# Altium PCB 2022_AESK_UAV.PcbDoc (continued)
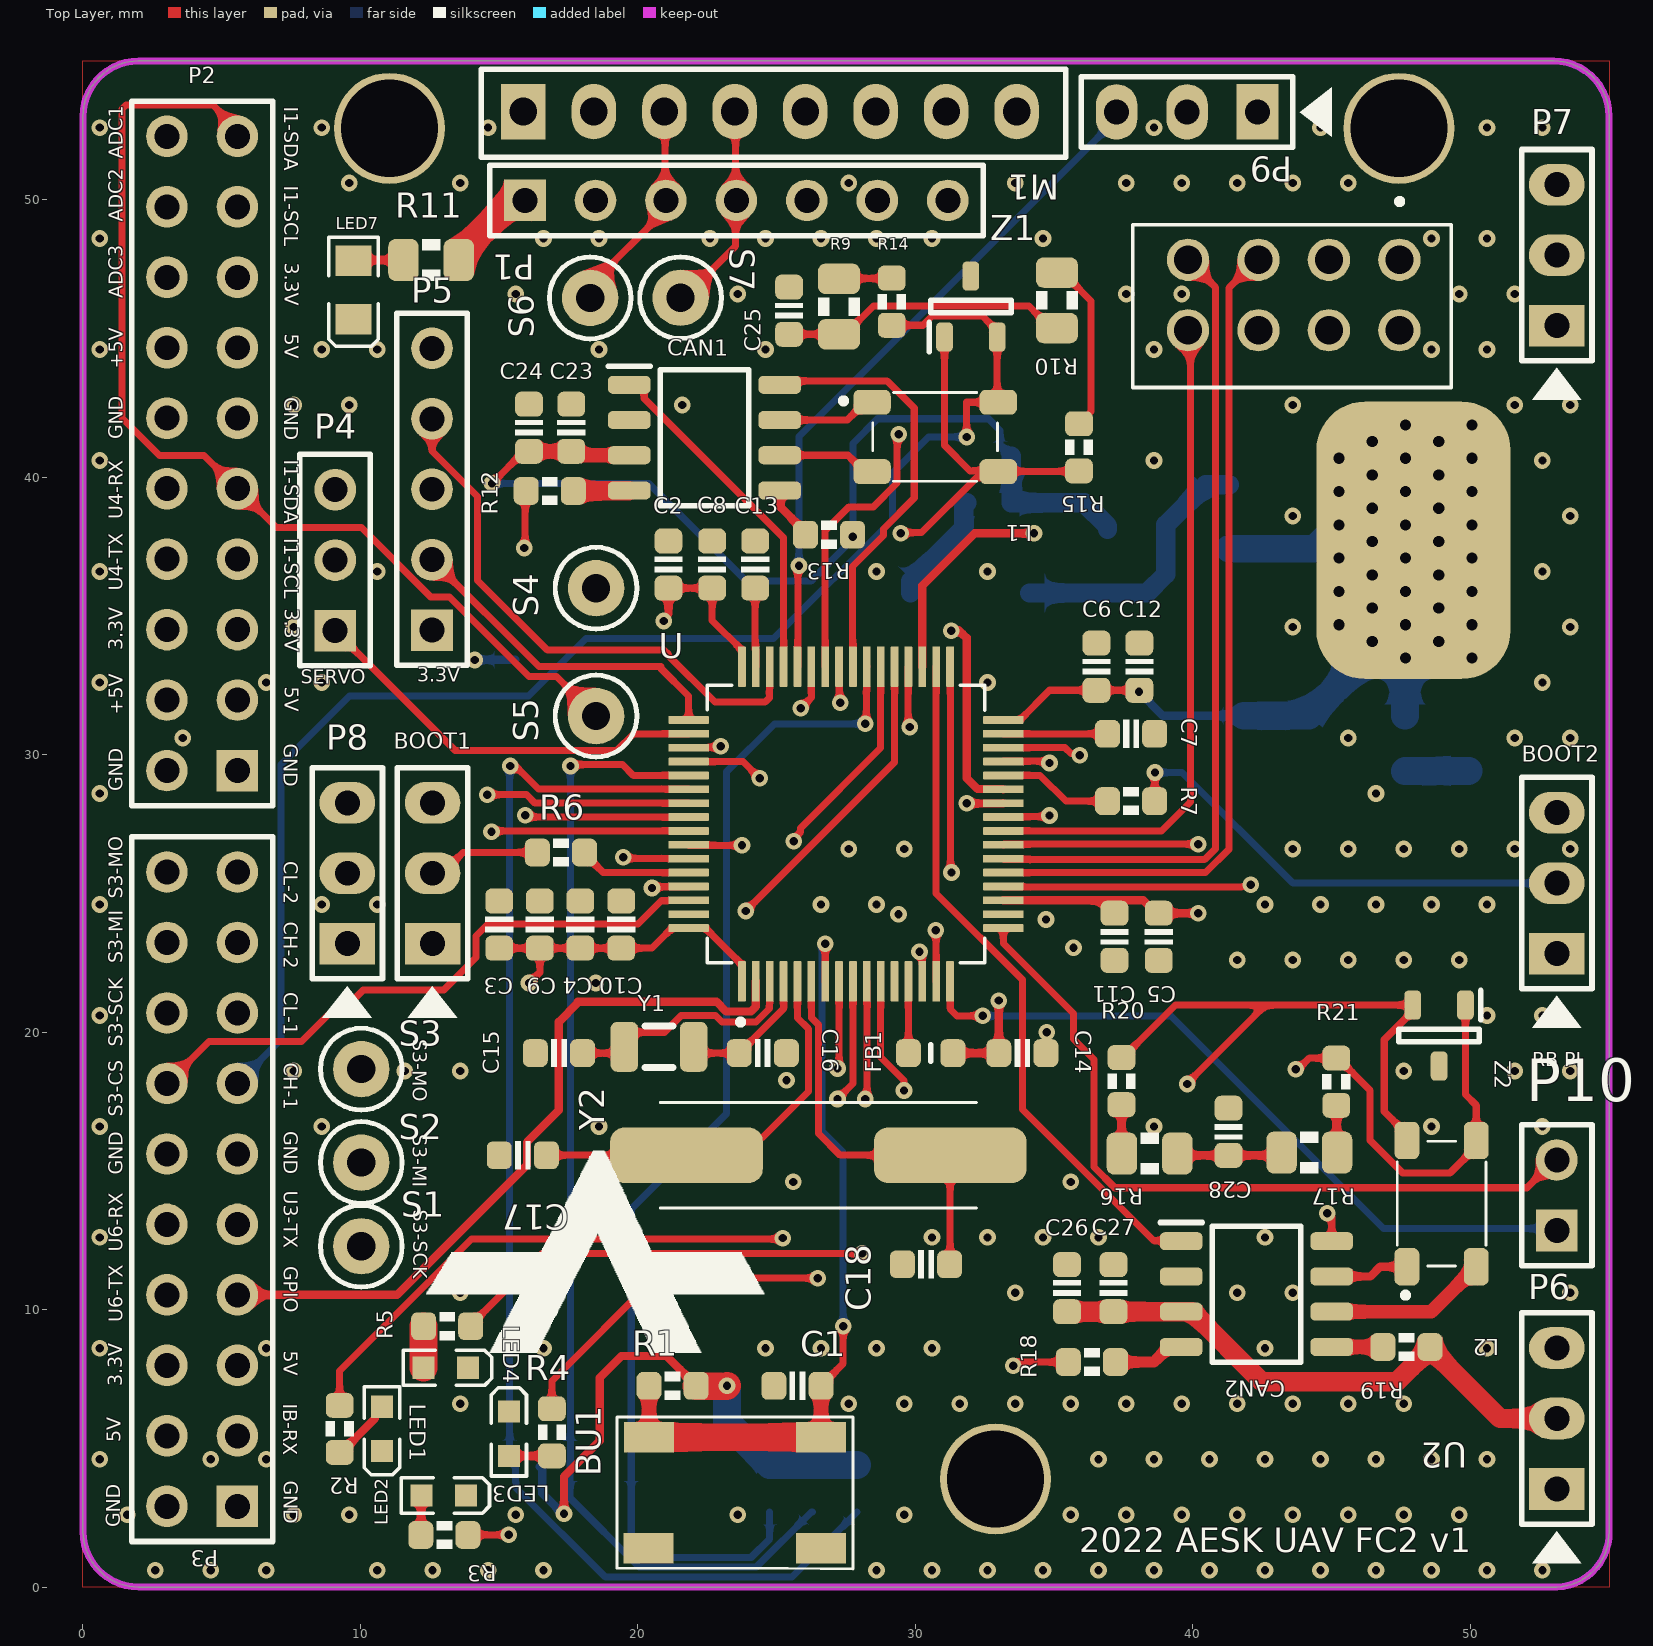
[diagram p0: Top Layer view]
## Components (designator, comment, footprint, x,y, rotation, side; value= is the part's Value field where it differs from the comment)
BOOT1 "1x3 PIN" HDR_2.54_1X3 12.6,25.725 r90 top
BOOT2 "1x3 PIN" HDR_2.54_1X3 53.118,25.367 r90 top
BU1 "Push Button" "button son" 35.85,10.75 r180 top
C1 "100nF" "CAPC 0603" 25.75,7.25 r0 top
C2 "100nF" "CAPC 0603" 21.1,36.85 r270 top
C3 "100nF" "CAPC 0603" 15,23.875 r270 top
C4 "100nF" "CAPC 0603" 17.925,23.875 r270 top
C5 "100nF" "CAPC 0603" 38.775,23.434 r90 top
C6 "100nF" "CAPC 0603" 36.525,33.17 r270 top
C7 "2.2uF" "CAPC 0603" 37.775,30.75 r180 top
C8 "10uF" "CAPC 0603" 22.675,36.85 r270 top
C9 "10uF" "CAPC 0603" 16.466,23.875 r270 top
C10 "10uF" "CAPC 0603" 19.4,23.875 r270 top
C11 "10uF" "CAPC 0603" 37.175,23.434 r90 top
C12 "10uF" "CAPC 0603" 38.075,33.17 r270 top
C13 "2.2uF" "CAPC 0603" 24.225,36.85 r270 top
C14 "100nF" "CAPC 0603" 33.856,19.242 r180 top
C15 "1pF" "CAPC 0603" 17.153,19.242 r180 top
C16 "1pF" "CAPC 0603" 24.502,19.242 r0 top
C17 "20pF" "CAPC 0603" 15.852,15.563 r180 top
C18 "20pF" "CAPC 0603" 30.382,11.631 r180 top
C19 "10uF" "CAPC 0805" 33.46,41.75 r270 bottom
C20 "10uF" "CAPC 0805" 43.969,30.4 r90 bottom
C21 "100nF" "CAPC 0805" 41.849,30.4 r90 bottom
C22 "100nF" "CAPC 0805" 15.575,34.425 r270 bottom
C23 "10uF" "CAPC 0603" 17.6,41.783 r270 top
C24 "100nF" "CAPC 0603" 16.075,41.783 r270 top
C25 "4.7nF" "CAPC 0603" 25.45,46 r270 top
C26 "10uF" "CAPC 0603" 35.465,10.773 r270 top
C27 "100nF" "CAPC 0603" 37.14,10.773 r270 top
C28 "4.7nF" "CAPC 0603" 41.287,16.408 r90 top
CAN1 "TCAN1042HGVDQ1" SOIC127P600X175-8N 22.4,41.425 r0 top
CAN2 "TCAN1042HGVDQ1" SOIC127P600X175-8N 42.295,10.558 r0 top
D1 "PMEG3050BEP" SOD470X100-2N 31.975,35.825 r180 bottom
D2 "" "DO-214AC, SMA" 36.925,40.125 r90 bottom
FB1 "Ferrite Bead" FCM1608KF-601T03 30.55,19.242 r0 top
FB2 "Ferrite Bead" FCM1608KF-601T03 32.65,39.075 r0 bottom
J2 "0473521001" 47352-1001 8.1,0.6 r180 bottom locked
L1 "ACT45B-101-2P-TL003" TDK_ACT45B_2 30.15,41.45 r0 top
L2 "ACT45B-101-2P-TL003" TDK_ACT45B_2 48.965,13.255 r90 top
LED1 "" "LED BLUE 0603" 10.775,5.7 r270 top
LED2 "" "LED BLUE 0603" 13,3.3 r0 top
LED3 "" "LED BLUE 0603" 15.35,5.525 r90 top
LED4 "" "LED BLUE 0603" 13.075,7.9 r0 top
LED5 "" "LED RED 0805" 49.949,30.467 r90 bottom
LED7 "" "LED GREEN 0805" 9.75,46.75 r270 top
M1 "MPU-9255(resim ve supplier bilgileri mpu6050dir)" MPU-9255(GY-87) 24.76,53.175 r90 top
P1 "Header 7" HDR1X7 15.93,49.975 r0 top
P2 "Header 10X2" HDR2X10 5.565,29.425 r90 top
P3 "Header 10X2" HDR2X10 5.565,2.91 r90 top
P4 "Header 3" HDR1X3 9.09,34.47 r90 top
P5 "Header 5" HDR1X5 12.58,34.485 r90 top
P6 "1x3 PIN" HDR_2.54_1X3 53.118,6.072 r90 top
P7 "1x3 PIN" HDR_2.54_1X3 53.118,48 r90 top
P8 "1x3 PIN" HDR_2.54_1X3 9.525,25.725 r90 top
P9 "1x3 PIN" HDR_2.54_1X3 39.793,53.165 r180 top
P10 "Header 2" HDR1X2 53.118,12.85 r90 top
R1 "10K" "RESC 0603" 21.25,7.25 r180 top
R2 "470R" "RESC 0603" 9.25,5.7 r90 top
R3 "470R" "RESC 0603" 13.025,1.875 r0 top
R4 "470R" "RESC 0603" 16.9,5.575 r90 top
R5 "470R" "RESC 0603" 13.125,9.4 r0 top
R6 "10K" "RESC 0603" 17.225,26.475 r180 top
R7 "10K" "RESC 0603" 37.775,28.325 r0 top
R8 "470R" "RESC 0805" 47.649,30.4 r90 bottom
R9 "69.1K" "RESC 0805" 27.25,46.15 r90 top
R10 "69.1K" "RESC 0805" 35.1,46.375 r90 top
R11 "470R" "RESC 0805" 12.55,47.825 r0 top
R12 "470R" "RESC 0603" 16.825,39.5 r0 top
R13 "4.7K" "RESC 0603" 26.89,37.925 r180 top
R14 "0R" "RESC 0603" 29.15,46.325 r270 top
R15 "0R" "RESC 0603" 35.9,41.075 r270 top
R16 "69.1K" "RESC 0805" 38.44,15.62 r180 top
R17 "69.1K" "RESC 0805" 44.198,15.658 r0 top
R18 "470R" "RESC 0603" 36.362,8.108 r0 top
R19 "4.7K" "RESC 0603" 47.7,8.65 r180 top
R20 "0R" "RESC 0603" 37.428,18.233 r90 top
R21 "0R" "RESC 0603" 45.173,18.213 r90 top
R24 "10K" "RESC 0603" 27.9,3.55 r270 bottom
R25 "10K" "RESC 0603" 24.75,3.55 r270 bottom
R26 "10K" "RESC 0603" 26.3,3.55 r270 bottom
S1 "5002" Keystone5002 10.03,12.283 r0 top value=White
S2 "5002" Keystone5002 10.03,15.297 r0 top value=White
S3 "5002" Keystone5002 10.03,18.665 r0 top value=White
S4 "5002" Keystone5002 18.493,36 r0 top value=White
S5 "5002" Keystone5002 18.493,31.39 r0 top value=White
S6 "5002" Keystone5002 18.28,46.46 r0 top value=White
S7 "5002" Keystone5002 21.54,46.466 r0 top value=White
U "STM32F405RGT6" QFP50P1200X1200X160-64N 27.5,27.5 r90 top locked
U1 "ZLDO1117G50TA" 1117 44.267,37.471 r0 bottom
U2 "NRF24L01P-MODULE-PCB" nrf 41.775,32.55 r270 top locked
Y1 "32.768KHz/Crystal Osc" "32KhZ crystal oscillator" 20.76,19.47 r180 top
Y2 "25MHz/Crystal Osc" "25MHz Crystal Oscillator" 26.502,15.563 r180 top
Z1 "PESD2CAN,215" SOT95P230X110-3N 32,46.15 r90 top
Z2 "PESD2CAN,215" SOT95P230X110-3N 48.875,19.875 r270 top

## Footprints (in the part's own frame and the unit in brackets; to place one, negate y for a bottom-side part, rotate by r counter-clockwise, add the part's x,y. Pads: shape width x height; smd on the part's side, far side on the other; paste and mask are expansions set on the pad)
"25MHz Crystal Oscillator" [mm]
  rrect50% 5.5x2 smd: 1(-4.75,0) 2(4.75,0)
  silkscreen extent -5.7,-1.9 5.7,1.9, body extent -7.3,-1.9 7.3,1.9, height 4.4
"32KhZ crystal oscillator" [mm]
  rrect50% 1x1.8 smd: 1(-1.25,0) 2(1.25,0)
  silkscreen extent -0.5,-0.75 0.5,0.75, body extent -1.6,-0.75 1.6,0.75, height 0.8
1117 [mm]
  rrect50% 2.7x1 smd paste-0.102 mask+0.051: 1(-2.95,2.351) 2(-2.95,0.051) 3(-2.95,-2.249)
  rrect50% 7x10 smd far side paste-0.102 mask+0.051: 4(3.683,-0.254)
  rrect50% 7x10 smd paste-0.102 mask+0.051: 4(3.683,-0.254)
  silkscreen extent -3.17,3.56 -2.77,3.96, body extent -3.75,-3.25 3.25,3.25, height 1.63
47352-1001 [mm]
  rrect50% 0.8x1.5 smd: 1(-5.06,3.94) 2(-6.16,4.34) 3(-7.26,3.94) 4(-8.36,3.74) 5(-9.46,3.94) 6(-10.56,3.74) 7(-11.66,3.94) 8(-12.76,3.94)
  rrect50% 1.3x1.4 smd: 9(-11.95,14.8) 11(-6.25,14.8)
  rrect50% 1x0.95 smd: 10(-10.56,15.025)
  rrect50% 1.4x1.9 smd: 12(-13.55,1.65) 13(-0.4,0.65)
  silkscreen extent -14,0 0,15.2, body extent -14.03,0.04 0.07,15.24, height 1.85
"button son" [mm]
  rect 1.8x1.1 smd mask+0.05: 1(9.25,9.35) 2(15.475,9.35) 3(9.25,5.35) 4(15.45,5.35)
  silkscreen extent 8.1,4.63 16.6,10.1, body extent 9.05,4.77 15.45,9.97, height 1.5
"CAPC 0603" [mm] "Chip Resistor, Body 1.6x0.8mm, IPC Medium Density"
  rrect50% 0.9x1 smd: 1(-0.85,0) 2(0.85,0)
  silkscreen extent -0.28,-0.5 0.28,0.5, body extent -0.8,-0.4 0.8,0.4, height 0.3
"CAPC 0805" [mm] "Chip Resistor, Body 2.0x1.3mm, IPC Medium Density"
  rrect50% 1.1x1.52 smd: 1(-1,0) 2(1,0)
  silkscreen extent -0.33,-0.75 0.32,0.75, body extent -1,-0.63 1,0.62, height 0.78
"DO-214AC, SMA" [mm]
  rrect50% 2x1.7 smd: 1(-2,0) 2(2,0)
  silkscreen extent -2.67,-1.7 2,1.7, body extent -2.74,-1.4 2.76,1.4, height 2.6
FCM1608KF-601T03 [mm]
  rrect50% 0.9x1 smd: 1(-0.8,0) 2(0.8,0)
  silkscreen extent 0,-0.3 0,0.3, body extent -0.8,-0.4 0.8,0.4, height 0.95
HDR1X2 [mm] "Connector; Header; 2 Position"
  rect 1.5x1.5 hole 0.9: 1(0,0)
  round 1.5 hole 0.9: 2(2.54,0)
  silkscreen extent -1.27,-1.27 3.81,1.27
HDR1X3 [mm] "Connector; Header; 3 Position"
  rect 1.5x1.5 hole 0.9: 1(0,0)
  round 1.5 hole 0.9: 2(2.54,0) 3(5.08,0)
  silkscreen extent -1.27,-1.27 6.35,1.27
HDR1X5 [mm] "Connector; Header; 5 Position"
  rect 1.5x1.5 hole 0.9: 1(0,0)
  round 1.5 hole 0.9: 2(2.54,0) 3(5.08,0) 4(7.62,0) 5(10.16,0)
  silkscreen extent -1.27,-1.27 11.43,1.27
HDR1X7 [mm] "Connector; Header; 7 Position"
  rect 1.5x1.5 hole 0.9: 1(0,0)
  round 1.5 hole 0.9: 2(2.54,0) 3(5.08,0) 4(7.62,0) 5(10.16,0) 6(12.7,0) 7(15.24,0)
  silkscreen extent -1.27,-1.27 16.51,1.27
HDR2X10 [mm] "Connector; Header; 10x2 Position"
  rect 1.5x1.5 hole 0.9: 1(0,0)
  round 1.5 hole 0.9: 2(0,2.54) 3(2.54,0) 4(2.54,2.54) 5(5.08,0) 6(5.08,2.54) 7(7.62,0) 8(7.62,2.54) 9(10.16,0) 10(10.16,2.54) 11(12.7,0) 12(12.7,2.54) 13(15.24,0) 14(15.24,2.54) 15(17.78,0) 16(17.78,2.54) 17(20.32,0) 18(20.32,2.54) 19(22.86,0) 20(22.86,2.54)
  silkscreen extent -1.27,-1.27 24.13,3.81
HDR_2.54_1X3 [mm] "2.54MM PICTH"
  rect 1.5x2 hole 0.9: 1(-2.54,0)
  oval 1.5x2 hole 0.9: 2(0,0) 3(2.54,0)
  silkscreen extent -5.21,-1.27 3.81,1.27, body extent -3.81,-1.24 3.81,1.25, height 8.54
Keystone5002 [mil] "For Keystone 500x miniature loop terminals"
  round 80 hole 40: 1(0,0)
  silkscreen extent -58,-58 58,58, body extent -49,-49 49,49, height 182
"LED BLUE 0603" [mm]
  rect 0.8x0.8 smd: 1(-0.8,0) 2(0.8,0)
  silkscreen extent -1.52,-0.64 1.65,0.64, body extent -0.8,-0.4 0.8,0.4, height 0.59
"LED GREEN 0805" [mm]
  rect 1.1x1.3 smd: 1(-1.05,0) 2(1.05,0)
  silkscreen extent -1.91,-0.89 2.03,0.89, body extent -0.91,-0.63 0.89,0.62, height 0.79
"LED RED 0805" [mm]
  rect 1.1x1.3 smd: 1(-1.05,0) 2(1.05,0)
  silkscreen extent -1.91,-0.89 2.03,0.89, body extent -0.91,-0.63 0.89,0.62, height 0.79
MPU-9255(GY-87) [mm]
  rect 2x1.6 hole 1: 1(0,8.89)
  oval 2x1.6 hole 1: 2(0,6.35) 3(0,3.81) 4(0,1.27) 5(0,-1.27) 6(0,-3.81) 7(0,-6.35) 8(0,-8.89)
  silkscreen extent -1.65,-10.67 1.52,10.41, body extent -14.6,-10.68 1.27,10.43, height 6.32
nrf [mil]
  round 60 hole 40: 1(-601.75,223.18) 2(-501.75,223.18) 3(-601.75,123.18) 4(-501.75,123.18) 5(-601.75,23.18) 6(-501.75,23.18) 7(-601.75,-76.82) 8(-501.75,-76.82)
  silkscreen extent -688,-155 -421,296, body extent -675,-231 1219,379, height 689
QFP50P1200X1200X160-64N [mm]
  rrect25% 1.47x0.28 smd: 1(-5.67,3.75) 2(-5.67,3.25) 3(-5.67,2.75) 4(-5.67,2.25) 5(-5.67,1.75) 6(-5.67,1.25) 7(-5.67,0.75) 8(-5.67,0.25) 9(-5.67,-0.25) 10(-5.67,-0.75) 11(-5.67,-1.25) 12(-5.67,-1.75) 13(-5.67,-2.25) 14(-5.67,-2.75) 15(-5.67,-3.25) 16(-5.67,-3.75) 33(5.67,-3.75) 34(5.67,-3.25) 35(5.67,-2.75) 36(5.67,-2.25) 37(5.67,-1.75) 38(5.67,-1.25) 39(5.67,-0.75) 40(5.67,-0.25) 41(5.67,0.25) 42(5.67,0.75) 43(5.67,1.25) 44(5.67,1.75) 45(5.67,2.25) 46(5.67,2.75) 47(5.67,3.25) 48(5.67,3.75)
  rrect25% 0.28x1.47 smd: 17(-3.75,-5.67) 18(-3.25,-5.67) 19(-2.75,-5.67) 20(-2.25,-5.67) 21(-1.75,-5.67) 22(-1.25,-5.67) 23(-0.75,-5.67) 24(-0.25,-5.67) 25(0.25,-5.67) 26(0.75,-5.67) 27(1.25,-5.67) 28(1.75,-5.67) 29(2.25,-5.67) 30(2.75,-5.67) 31(3.25,-5.67) 32(3.75,-5.67) 49(3.75,5.67) 50(3.25,5.67) 51(2.75,5.67) 52(2.25,5.67) 53(1.75,5.67) 54(1.25,5.67) 55(0.75,5.67) 56(0.25,5.67) 57(-0.25,5.67) 58(-0.75,5.67) 59(-1.25,5.67) 60(-1.75,5.67) 61(-2.25,5.67) 62(-2.75,5.67) 63(-3.25,5.67) 64(-3.75,5.67)
  silkscreen extent -7.24,-5 5,5, body extent -6,-6 6,6, height 1.58
"RESC 0603" [mm] "Chip Resistor, Body 1.6x0.8mm, IPC Medium Density"
  rrect50% 0.9x1 smd: 1(-0.85,0) 2(0.85,0)
  silkscreen extent -0.28,-0.5 0.28,0.5, body extent -0.8,-0.4 0.8,0.4, height 0.3
"RESC 0805" [mm] "Chip Resistor, Body 2.0x1.3mm, IPC Medium Density"
  rrect50% 1.1x1.52 smd: 1(-1,0) 2(1,0)
  silkscreen extent -0.33,-0.75 0.33,0.75, body extent -1,-0.63 1,0.62, height 0.78
SOD470X100-2N [mm]
  rect 1.1x1.95 smd: 1(-2.15,0) 2(2.15,0)
  silkscreen extent -2.65,1.23 -2.55,1.32, body extent -2.35,-1.35 2.35,1.35, height 1
SOIC127P600X175-8N [mm]
  rrect50% 1.525x0.65 smd: 1(-2.712,1.905) 2(-2.712,0.635) 3(-2.712,-0.635) 4(-2.712,-1.905) 5(2.712,-1.905) 6(2.712,-0.635) 7(2.712,0.635) 8(2.712,1.905)
  silkscreen extent -3.47,-2.45 1.6,2.58, body extent -3,-2.45 3,2.45, height 1.75
SOT95P230X110-3N [mm]
  rrect50% 1.05x0.6 smd: 1(-1.1,0.95) 2(-1.1,-0.95) 3(1.1,0)
  silkscreen extent -1.63,-1.45 0.23,1.5, body extent -1.15,-1.45 1.15,1.45, height 1.1
TDK_ACT45B_2 [mm]
  rrect50% 1.35x0.9 smd: 1(-1.712,1.25) 2(-1.712,-1.25) 3(2.838,-1.25) 4(2.838,1.25)
  silkscreen extent -2.84,-1.6 2.81,1.6, body extent -2.3,-1.61 3.42,1.61, height 3.1

## Part data
BOOT1 BOOT2 P6 P7 P8 P9: library part Connector0009, "Header 2.54 1x3", Package / Case=HDR_2.54_1X3, Category=Connectors, part number=Connector0009, Values="Header 2.54 1x3"
BU1: "Smd Push Button", Satın Alma Linki=https://urun.n11.com/diger/mini-pushbutton-switch-smd-P227461537?gclid=Cj0KCQjwkoDmBRCcARIsAG3xzl8Y_-jeD7HocNM6lvuZ_rVp83568XPGtNzlPwXWLph8oCRqo0yh87UaApZYEALw_wcB&gclsrc=aw.ds
C1 C2 C3 C4 C5 C6 C14: library part CAPC0328, "Capacitor Ceramic 100nF 35V 0603", Package / Case=0603, Tolerance=%10, Value Rating=nF, Values="100nF 35V", Voltage=35V, Category="Capacitor Ceramic", part number=CAPC0328
C7 C13: library part CAPC0295, "Capacitor Ceramic 2.2uF 50V 0603", Package / Case=0603, Tolerance=%10, Value Rating=uF, Values="2.2uF 50V", Voltage=50V, Category="Capacitor Ceramic", part number=CAPC0295
C8 C9 C10 C11 C12: library part CAPC0301, "Capacitor Ceramic 10uF 50V 0603", Package / Case=0603, Tolerance=%10, Value Rating=uF, Values="10uF 50V", Voltage=50V, Category="Capacitor Ceramic", part number=CAPC0301
C15 C16: library part CAPC0233, "Capacitor Ceramic 1pF 50V 0603", Package / Case=0603, Tolerance=%10, Value Rating=pF, Values="1pF 50V", Voltage=50V, Category="Capacitor Ceramic", part number=CAPC0233
C17 C18: library part CAPC0246, "Capacitor Ceramic 20pF 50V 0603", Package / Case=0603, Tolerance=%10, Value Rating=pF, Values="20pF 50V", Voltage=50V, Category="Capacitor Ceramic", part number=CAPC0246
C19 C20: library part CAPC0588, "Capacitor Ceramic 10uF 50V 0805", Package / Case=0805, Value Rating=uF, Values="10uF 50V", Voltage=50V, Category="Capacitor Ceramic", part number=CAPC0588
C21: library part CAPC0572, "Capacitor Ceramic 100nF 50V 0805", Package / Case=0805, Value Rating=nF, Values="100nF 50V", Voltage=50V, Category="Capacitor Ceramic", Favorites=Favorite, part number=CAPC0572
C22: library part CAPC0572, "Capacitor Ceramic 100nF 50V 0805", Package / Case=0805, Tolerance=%10, Value Rating=nF, Values="100nF 50V", Voltage=50V, Category="Capacitor Ceramic", Favorites=Favorite, part number=CAPC0572
C23 C26: library part CAPC0473, "Capacitor Ceramic 10uF 10V 0603", Package / Case=0603, Tolerance=%10, Value Rating=uF, Values="10uF 10V", Voltage=10V, Category="Capacitor Ceramic", Favorites=Favorite, part number=CAPC0473
C24 C27: library part CAPC0285, "Capacitor Ceramic 100nF 50V 0603", Package / Case=0603, Tolerance=%10, Value Rating=nF, Values="100nF 50V", Voltage=50V, Category="Capacitor Ceramic", Favorites=Favorite, part number=CAPC0285
C25 C28: library part CAPC0273, "Capacitor Ceramic 4.7nF 50V 0603", Package / Case=0603, Tolerance=%10, Value Rating=nF, Values="4.7nF 50V", Voltage=50V, Category="Capacitor Ceramic", part number=CAPC0273
CAN1 CAN2: "Integrated Circuit", Manufacturer_Name="Texas Instruments", Manufacturer_Part_Number=TCAN1042HDRQ1, Mouser Part Number=595-TCAN1042HGVDQ1, RS Part Number=1330710P, Supplier Part Number 1=296-47722-ND, Datasheet Link=http://www.ti.com/lit/gpn/tcan1042hgv-q1, Height=1.75mm, Mouser Price/Stock=https://www.mouser.com/Search/Refine.aspx?Keyword=595-TCAN1042HGVDQ1, RS Price/Stock=http://uk.rs-online.com/web/p/products/1330710P, Supplier 1=Digi-Key
D1: library part "Schotky Diode", "Schotky Diode", manufacturer="Nexperia USA", Manufacturer Part Number=PMEG3050BEP,115, Supplier Part Number 1=1727-5207-1-ND, Pricing 1="1=0.44, 10=0.373, 100=0.2786, 500=0.2189, 1000=0.1692 (USD)", Stock 1=62590, Supplier 1=Digi-Key
D2: library part Diode0012, Current=FILL!!!, Package / Case="DO-214AC, SMA", Category="Diode Schottky", Diode Type=Schottky, part number=Diode0012, Speed=FILL!!!, Values=FILL!!!, Voltage - DC Reverse (Vr)=FILL!!!, Voltage - Forward (Vf)=FILL!!!
FB1 FB2: library part FCM1608KF-601T03
J2: "microSD Card Module", Manufacturer_Name=Molex, Supplier Part Number 1=WM3290CT-ND, Datasheet Link=https://www.molex.com/pdm_docs/sd/473521001_sd.pdf, Manufacturer_Part_Number=0473521001, Supplier 1=Digi-Key
L1 L2: "Inductor", Manufacturer Name=TDK, Datasheet Link=https://product.tdk.com/info/en/catalog/datasheets/cmf_automotive_signal_act45b_en.pdf, Mouser Price/Stock=https://www.mouser.com/Search/Refine.aspx?Keyword=810-ACT45B1012PTL003, Name=100uH/ACT45B
LED1 LED2 LED3 LED4: library part "LED BLUE", "LED"
LED5: library part "LED RED", "LED"
LED7: library part "LED GREEN", "LED"
M1: library part MPU-9255(GY-87), Manufacturer 1="TDK InvenSense", Manufacturer Part Number 1=MPU-6050EVB, Package Quantity=1, Supplier Part Number 1=1428-1008-ND, Category=Sensor, ComponentLink1Description=MPU-9255(gyroscope/accellemeter/magnometer/barometer), ComponentLink1URL=https://pdf.direnc.net/upload/mpu-9255-datasheet.pdf, ComponentLink2Description=https://store.invensense.com/datasheets/invensense/MPU-6000EVB.pdf?src-supplier=Digi-Key, ComponentLink2URL=https://store.invensense.com/datasheets/invensense/MPU-6000EVB.pdf?src-supplier=Digi-Key, Evaluation Kit=Yes, Pricing 1="1=56,00000, 5=50,75000, 10=48,12500, 25=46,55000 (USD)", RoHS=Yes, Sensor Type="Accelerometer,Gyroscope,3 Axis", Stock 1=2, Supplier 1=Digi-Key, Interface=I2C
P1: "Header, 7-Pin", LatestRevisionDate=17-Jul-2002, LatestRevisionNote="Re-released for DXP Platform.", Publisher="Altium Limited"
P2 P3: "Header, 10-Pin, Dual row", LatestRevisionDate=17-Jul-2002, LatestRevisionNote="Re-released for DXP Platform.", Publisher="Altium Limited"
P4: "Header, 3-Pin", LatestRevisionDate=17-Jul-2002, LatestRevisionNote="Re-released for DXP Platform.", Publisher="Altium Limited"
P5: "Header, 5-Pin", LatestRevisionDate=17-Jul-2002, LatestRevisionNote="Re-released for DXP Platform.", Publisher="Altium Limited"
P10: "Header, 2-Pin", LatestRevisionDate=17-Jul-2002, LatestRevisionNote="Re-released for DXP Platform.", Publisher="Altium Limited"
R1 R6 R7 R24 R25 R26: library part R0220, "10K 0603", Package / Case=0603, Power=1/10W, Tolerance=%5, Category=Resistor, part number=R0220, Values=10K
R2 R3 R4 R5 R12 R18: library part R0188, "470R 0603", Package / Case=0603, Power=1/10W, Tolerance=%5, Category=Resistor, part number=R0188, Values=470R
R8: library part R0334, "470R 0805", Package / Case=0805, Category=Resistor, part number=R0334, Values=470R
R9 R16 R17: library part R0386, "68K 0805", Package / Case=0805, Power=1/10W, Tolerance=%5, Values=68K, Category=Resistor, part number=R0386
R10: library part R0386, "69.1K 0805", Package / Case=0805, Power=1/10W, Tolerance=%5, Values=68K, Category=Resistor, part number=R0386
R11: library part R0334, "470R 0805", Package / Case=0805, Power=1/10W, Tolerance=%5, Category=Resistor, part number=R0334, Values=470R
R13 R19: library part R0212, "4.7K 0603", Package / Case=0603, Power=1/10W, Tolerance=%5, Category=Resistor, part number=R0212, Values=4.7K
R14 R15 R20 R21: library part R0148, "0R 0603", Package / Case=0603, Power=1/10W, Tolerance=%5, Category=Resistor, part number=R0148, Values=0R
S1 S2 S3 S4 S5 S6 S7: "Test Point, TH, Miniature, White", Alternate Manufacturer=-, DigiKeyPartNumber=5002K-ND, manufacturer=Keystone, Alternate PartNumber=-, ComponentLink1Description="Datasheet Link", ComponentLink1URL=http://www.keyelco.com/pdfs/M55p51.pdf, CompType="Test Point Loop", LatestRevisionDate=2011-09-29, LatestRevisionNote="Removed DigiKeyPartNumber parameter.", MountType=TH, PackageReference=Keystone5002, PartNumber=5002, Publisher="National Semiconductor", RoHS=Y, Supplier 1=Digi-Key, Supplier 2=Newark, Supplier Part Number 1=5002K-ND, Supplier Part Number 2=82H9632, SymbolVersion=2008-04-04, U/M=EA
U: "ARMÂ® CortexÂ®-M4 STM32F4 Microcontroller IC 32-Bit 168MHz 1MB _1M x 8_ FLASH 64-LQFP _10x10_", Package="LQFP-64 STMicroelectronics", Digi-Key_Part_Number=497-11767-ND, Digi-Key_Purchase_URL=https://www.digikey.com/product-detail/en/stmicroelectronics/STM32F405RGT6/497-11767-ND/2754208?utm_source=snapeda&utm_medium=aggregator&utm_campaign=symbol, MF=STMicroelectronics, MP=STM32F405RGT6, SnapEDA_Link=https://www.snapeda.com/parts/STM32F405RGT6/STMicroelectronics/view-part/105502/?ref=snap
U1: "IC REG LDO 5V 1A SOT223"
U2: "- Transceiver For Use With nRF24L01+", Package=None, Availability=Bad, MF="Nordic Semiconductor", Mouser-Purchase-URL=https://snapeda.com/shop?store=Mouser&id=230534, MP=NRF24L01P-MODULE-PCB, Price=None, SnapEDA_Link=https://www.snapeda.com/parts/NRF24L01P-MODULE-PCB/Nordic%20Semiconductor%20ASA/view-part/230534/?ref=snap
Y1: library part NX3215SA-32.768KHZ-EXS00A-MU00525, "Crystal or Oscillator", ComponentLink1Description="New link"
Y2: library part ECS-250-18-5PX-F-TR, "Crystal or Oscillator"
Z1 Z2: "Zener Diode", Manufacturer_Name=Nexperia, Mouser Part Number=771-PESD2CAN-T/R, RS Part Number=0508462, Datasheet Link=http://de.rs-online.com/webdocs/0b4d/0900766b80b4dbb6.pdf, Height=1.1mm, Manufacturer_Part_Number=PESD2CAN,215, Mouser Price/Stock=https://www.mouser.com/Search/Refine.aspx?Keyword=771-PESD2CAN-T%2FR, RS Price/Stock=http://uk.rs-online.com/web/p/products/0508462

## Free pads (board coordinates)
  round 4 hole 3.5: 1(11.05,52.575) 1(32.888,3.892) 1(47.425,52.575)

## Via types
v1: diameter 0.6, hole 0.3, Top Layer to Bottom Layer, tented both sides, 252 vias
v2: diameter 0.8, hole 0.4, Top Layer to Bottom Layer, 36 vias

## Nets (pads, with @x,y where several pads share a name; then routed paths per layer and width w, separated by ;. In a path a pad name is that pad's centre, name@x,y a point inside that pad or via, vN(x,y) a via of type N, cw(c..) or ccw(c..) an arc to the next point about the centre after c; other vN are vias at no path point)
25MHz_IN: C17.1 U.5 Y2.2 | length 14.5
  Top Layer w0.254: C17.1 Y2.2 22.395,16.205 24.49,16.205 26.145,17.86 26.145,20.12 25.75,20.515 U.5
25MHz_OUT: C18.1 U.6 Y2.1 | length 14.5
  Top Layer w0.254: U.6 26.25,20.517 26.502,20.265 26.502,16.34 27.28,15.563 Y2.1 C18.1@31.253,11.71
32KHz_IN: C15.1 U.3 Y1.2 | length 8.7
  Top Layer w0.254: C15.1 19.282,19.242 Y1.2 19.51,19.629 19.874,19.993 20.956,19.993 21.562,20.599 22.795,20.599 23.027,20.367 24.259,20.367 24.737,20.844 24.737,21.817 U.3
32KHz_OUT: C16.1 U.4 Y1.1 | length 5
  Top Layer w0.254: Y1.1 22.237,19.242 C16.1 25.25,20.84 U.4
+3.3V: BOOT1.3 BOOT2.3 C2.2 C3.2 C4.2 C5.2 C6.2 C8.2 C9.2 C10.2 C11.2 C12.2 C14.2 C20.2 C21.2 C22.2 FB1.2 J2.4 M1.1 P1.1 P1.5 P1.7 P2.5 P2.6 P2.15 P3.6 P5.1 R1.1 R8.2 R11.2 R24.1 R25.1 R26.1 U1.2 U1.4 U2.2 U.1 U.19 U.32 U.48 U.64 | length 119.1
  Top Layer w0.254: C3.2 C9.2 ; v1(16.077,21.767) 16.466,22.156 C9.2 ; C2.2 C8.2 22.677,35.998 22.677,34.838 23.75,33.765 U.48 ; U.1 23.75,22.425 22.425,23.75 U.64 21.235,23.75 20.51,23.025 C10.2 C4.2 C9.2 ; U.32 33.765,31.25 34.835,32.32 C6.2 C12.2
  Top Layer w0.3: v1(17.334,2.643) 17.334,3.985 18.625,5.276 18.625,7.548 19.404,8.326 21.024,8.326 21.75,7.6 21.759,7.6 22.1,7.259 R1.1 ; v1(20.927,34.818) 20.927,34.899 21.1,35.072 C2.2 ; FB1.2 C14.2 C14.2 33.008,21.134 v1(33.009,21.136) ; U.19 36.619,24.75 ; C11.2 37.084,24.284 36.619,24.75 ; v1(40.199,24.284) C5.2 38.684,24.284 38.219,24.75 36.619,24.75
  Top Layer w1: R11.2 13.55,48.035 15.24,49.725 15.68,49.725 P1.1 ; R1.1 22.115,7.235 23.195,7.235 v1(23.21,7.25)
  Layer 2 w0.254: BOOT1.3 12.35,28.265 11.371,27.286 11.371,22.34 11.944,21.767 v1(16.077,21.767)
  Layer 2 w0.3: v1(14.123,33.413) 14.075,33.461 13.604,33.461 P5.1 20.513,34.485 20.846,34.818 v1(20.927,34.818) ; v1(33.009,21.136) 38.51,21.136 40.199,22.825 v1(40.199,24.284) 38.059,26.424 v1(38.059,32.271)
  Bottom Layer w0.3: v1(14.123,33.413) 14.129,33.419 15.569,33.419 C22.2 ; J2.4 16.558,4.242 16.558,3.369 17.284,2.643 v1(17.334,2.643) ; v1(38.059,32.271) 38.93,31.4 C21.2
  Bottom Layer w1: v1(23.21,7.25) 23.21,5.94 R25.1 R26.1 R24.1 ; U1.2 44.404,37.42 ; C21.2 C20.2 44.179,31.4 46.465,33.686 v2(46.465,34.081) ; v2(45.265,35.881) v2(45.265,37.081) 44.926,37.42 44.404,37.42 ; v2(45.265,39.481) v2(45.265,38.281) 44.404,37.42 ; R8.2 47.649,33.465 v2(47.665,33.481)
  other v2: 50.065,33.481 48.865,34.081 45.265,34.681 47.665,34.681 50.065,34.681 46.465,35.281 48.865,35.281 47.665,35.881 50.065,35.881 46.465,36.481 48.865,36.481 47.665,37.081 50.065,37.081 46.465,37.681 48.865,37.681 47.665,38.281 50.065,38.281 46.465,38.881 48.865,38.881 47.665,39.481 50.065,39.481 46.465,40.081 48.865,40.081 45.265,40.681 47.665,40.681 50.065,40.681 46.465,41.281 48.865,41.281 47.665,41.881 50.065,41.881
+5V: C19.2 C23.2 C24.2 C26.2 C27.2 CAN1.3 CAN2.3 D2.1 FB2.2 P2.3 P2.4 P2.13 P2.14 P3.4 P3.5 P4.2 P6.2 P7.2 P8.2 P9.2 R13.1 R19.1 | length 115.2
  Top Layer w0.254: v1(14.739,39.775) 15.897,40.933 C24.2
  Top Layer w0.5: C24.2 C23.2 17.743,40.79 CAN1.3
  Top Layer w0.7: C26.2 C27.2 CAN2.3 39.97,9.923 42.499,7.394 47.344,7.394 R19.1@48.55,8.6 ; R19.1 R19.1@48.55,8.6 ; P6.2 51.078,6.072 R19.1@48.55,8.6
  Layer 2 w0.254: P4.2 10.462,38.382 13.347,38.382 v1(14.739,39.775)
  Layer 2 w0.7: P3.5 P3.4 1.429,7.046 1.429,30.369 ; P2.3 P2.4 1.429,30.369 ; P2.13 P2.14 1.429,43.069 1.429,30.369
  Bottom Layer w0.254: v1(14.739,39.775) 20.391,39.775 23.916,36.25 26.229,36.25 27.746,37.767 v1(27.746,37.859) 27.746,41.22 28.632,42.106 32.631,42.106 33.057,41.681 33.057,41.153 C19.2
  Bottom Layer w0.7: C19.2 33.455,40.745 33.455,39.08 FB2.2 36.084,39.075 36.925,38.234 D2.1
ADC1: P2.20 U.20 | length 64.5
  Top Layer w0.254: U.20 33.183,25.237 33.858,25.237 33.868,25.227 41.762,25.227 41.783,25.248 42.017,25.248 v1(42.083,25.314)